# KiCad board PCMTestBoardOriginal.kicad_pcb
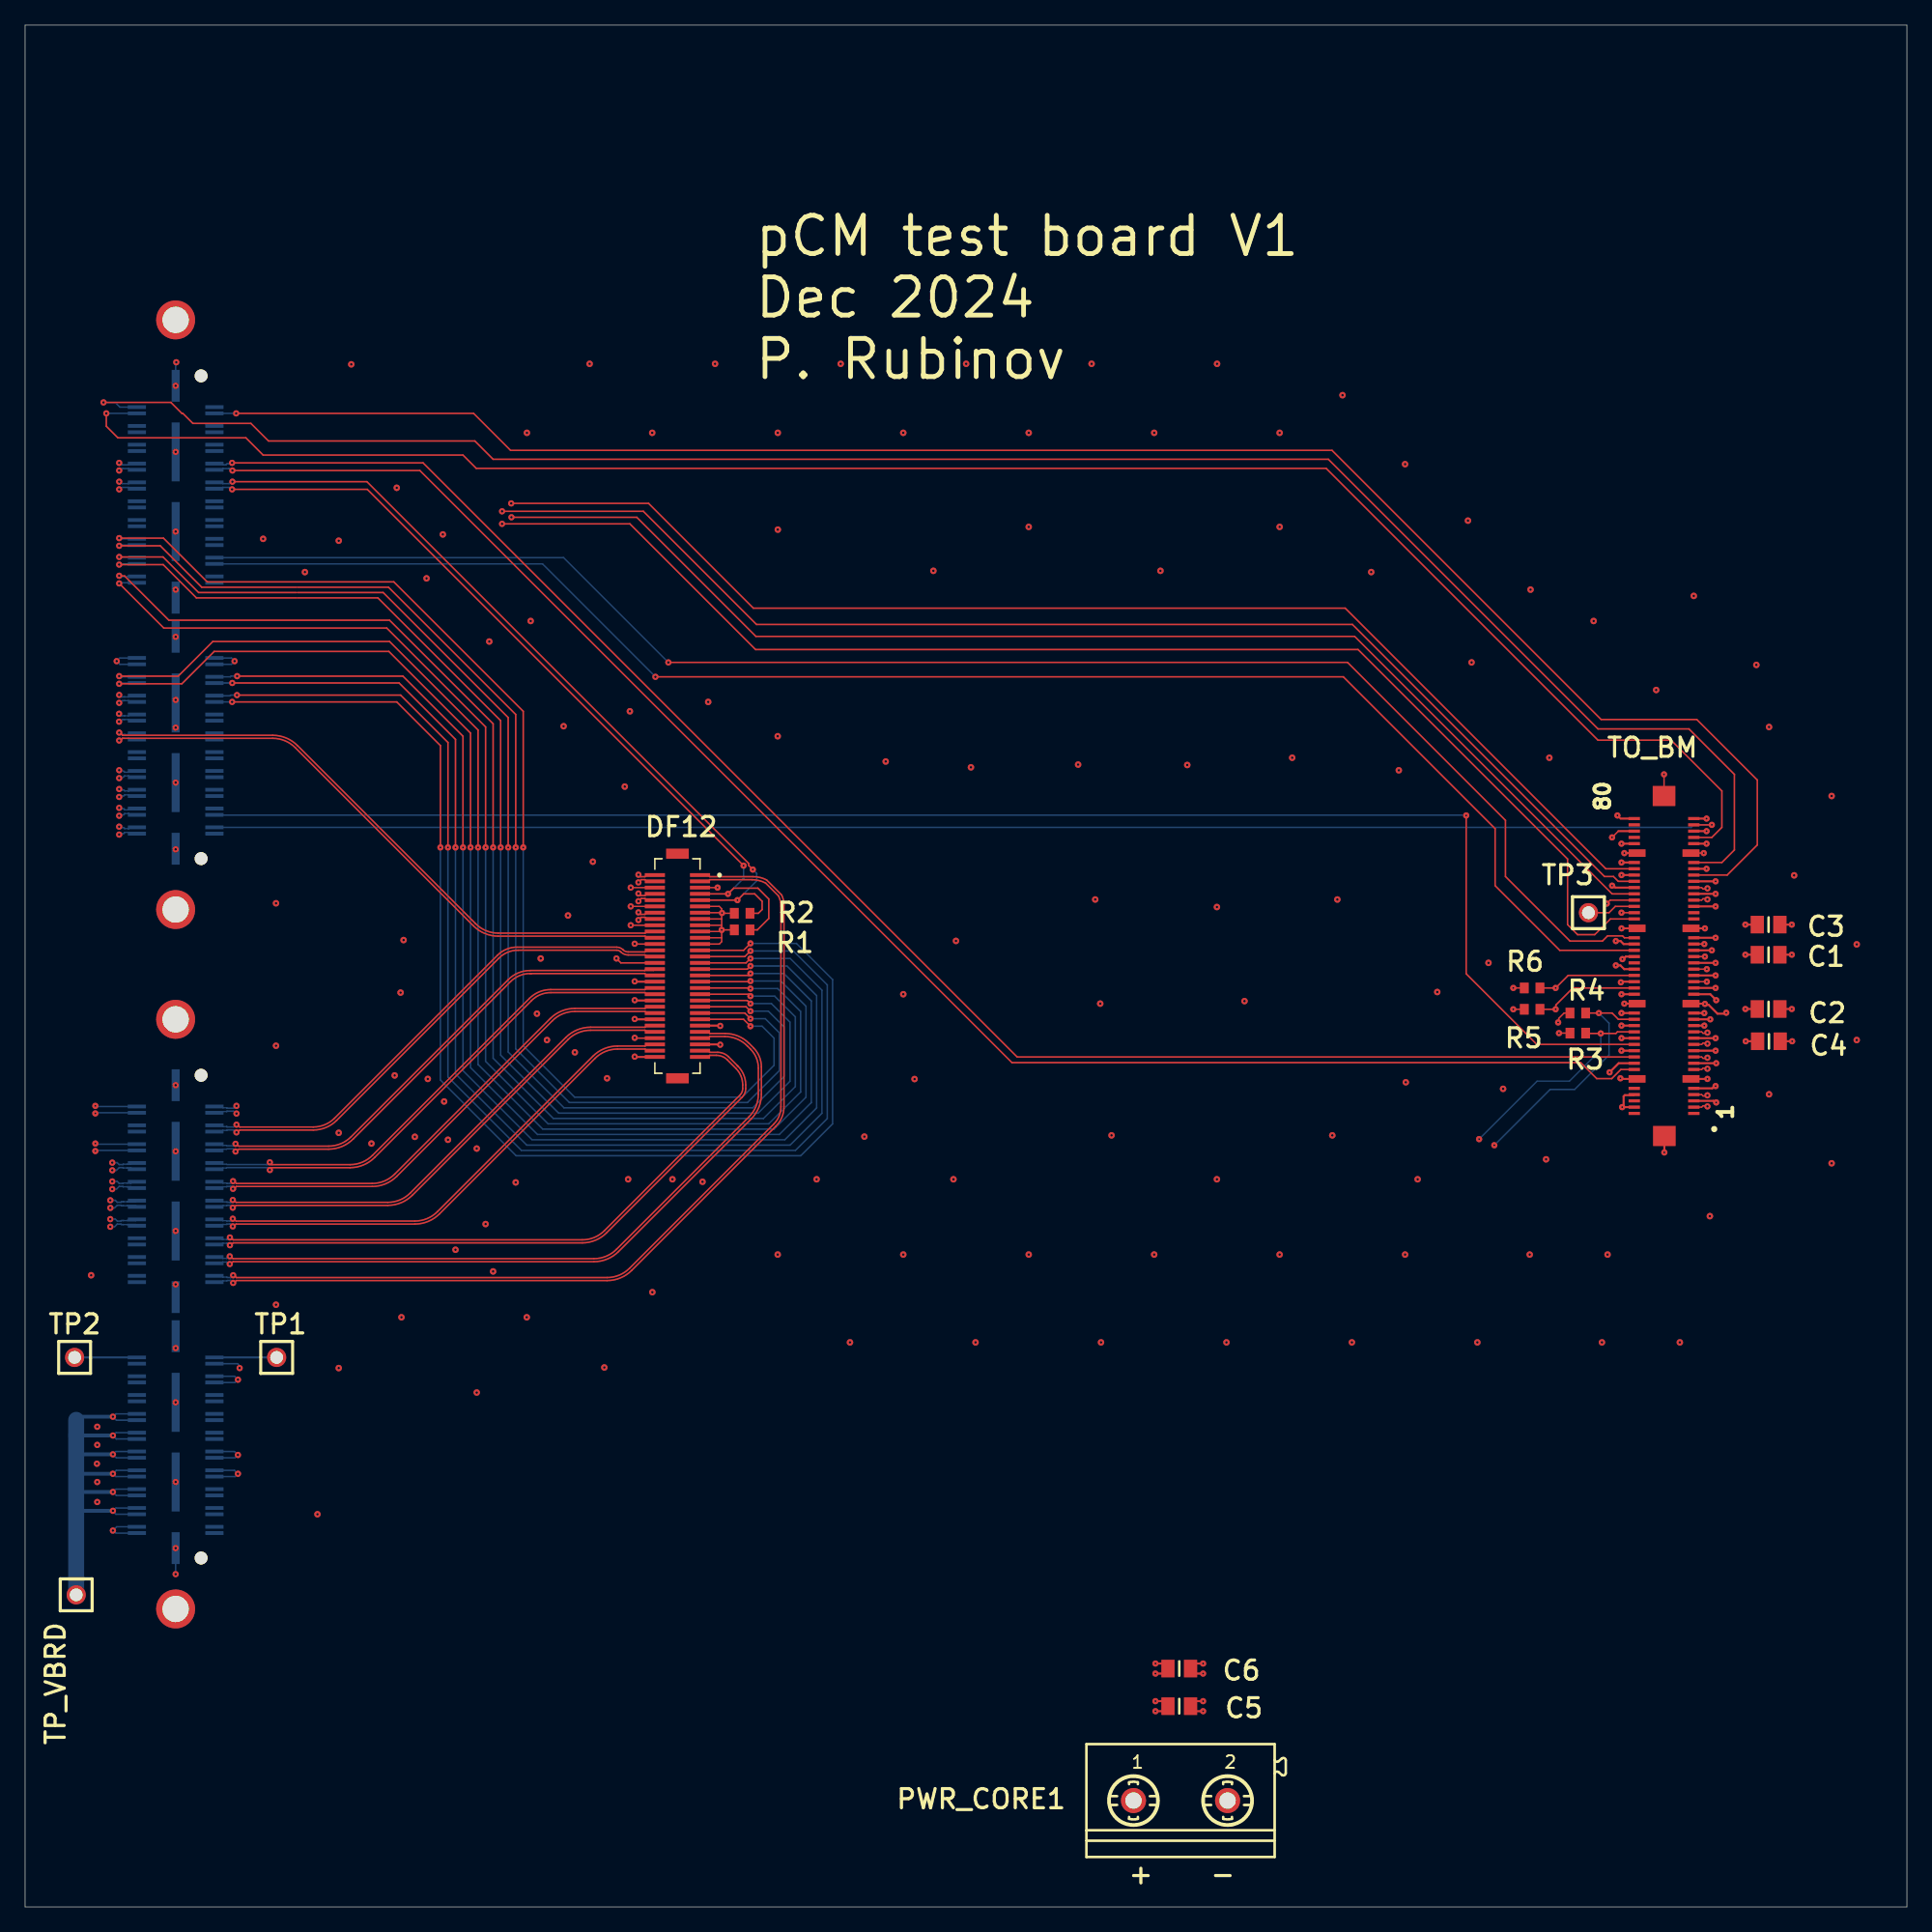
[diagram p0: board, top side]
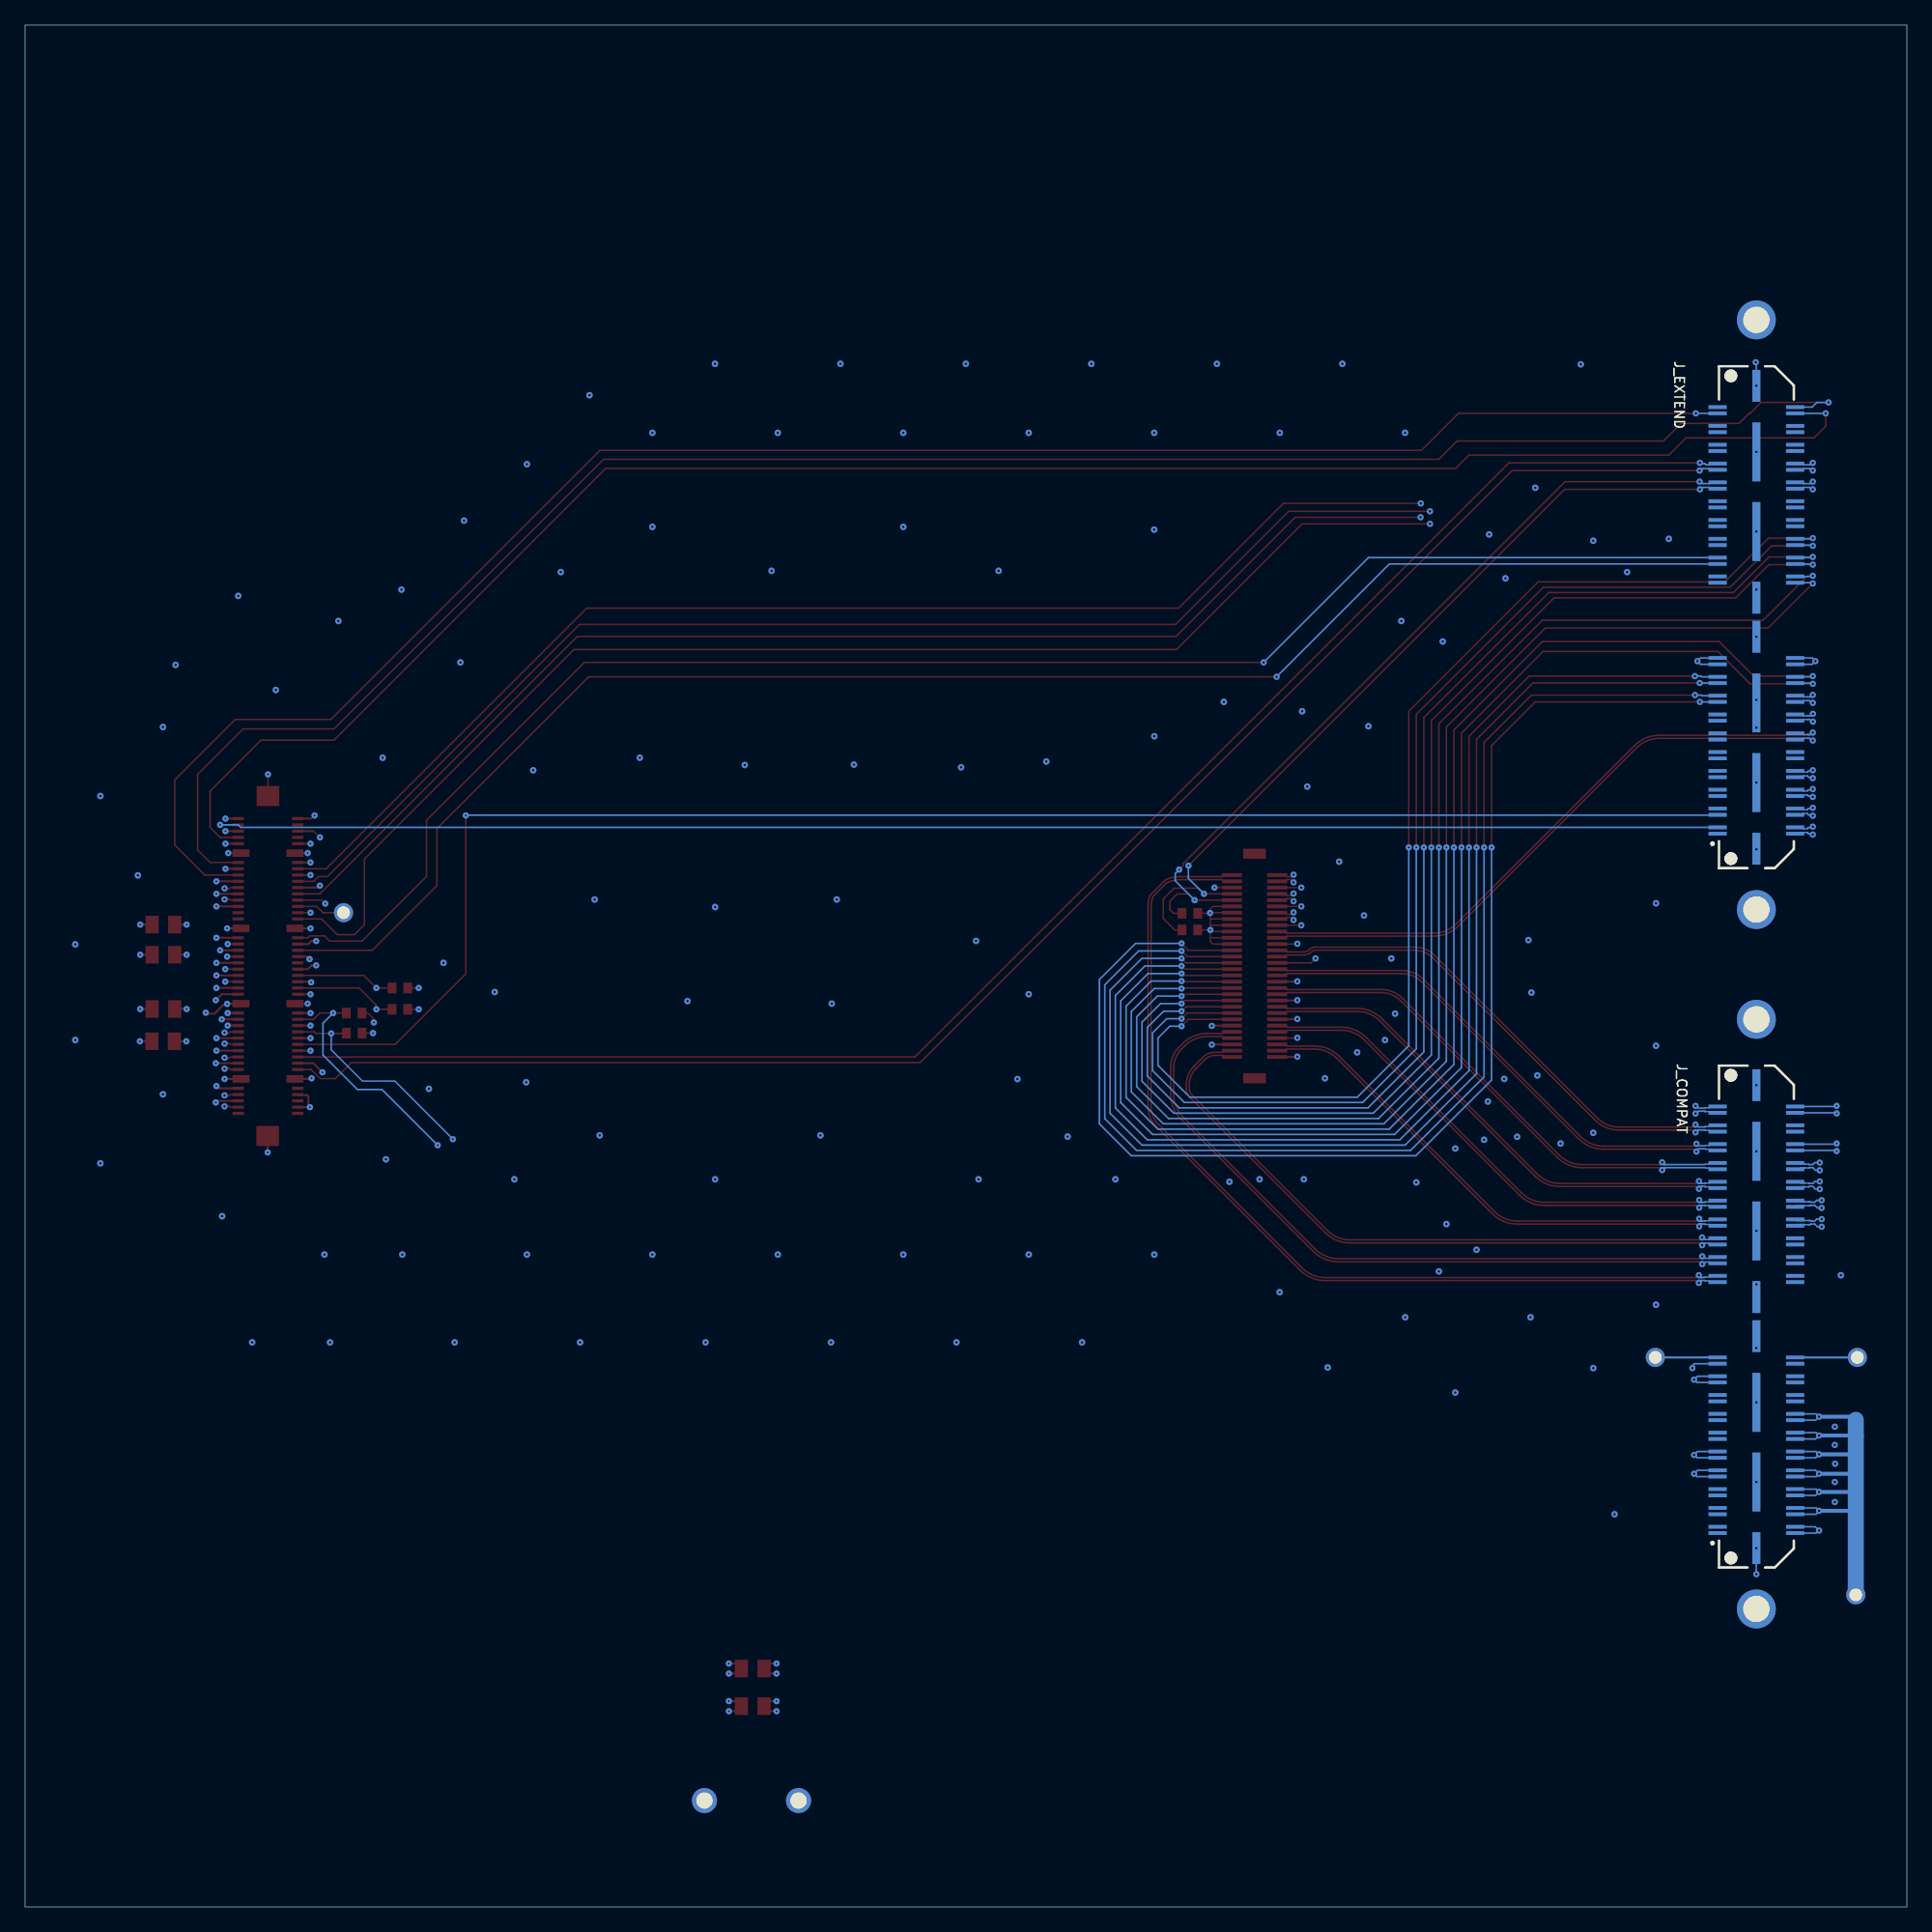
[diagram p1: board, bottom side, seen from below]

Outline 150 x 150 mm; copper layers: Top Layer1, LAyer2_gnd, Layer3_sig, Layer4_gnd, Layer5_vdd, Layer6_vdd, Layer7_gnd, Layer8_sig, Layer9_gnd, Bottom Layer. Coordinates in mm from the lower left corner of the outline.
Outline path: 0,150 0,0 150,0 150,150 0,150

## Placement (name value [footprint] x y rotation side)
C1  22uF  [CAPC2012X135N]  138.98 75.9 0 top
C2  22uF  [CAPC2012X135N]  138.98 71.57 0 top
C3  22uF  [CAPC2012X135N]  138.98 78.3 180 top
C4  22uF  [CAPC2012X135N]  139 69 180 top
C5  22uF  [CAPC2012X135N]  92 16 180 top
C6  22uF  [CAPC2012X135N]  92 19 180 top
DF12  DF12 connector for HGCAL test boards for partial modules  [HRS_DF12NB-60DS-0.5V(51)]  52 75 90 top
J_COMPAT  Samtec QTH-040  [SAMTEC_QTH-040-01-L-D-DP-A]  12 47.05 90 bottom
J_EXTEND  Samtec QTH-040  [SAMTEC_QTH-040-01-L-D-DP-A]  12 102.8 90 bottom
NOREF  -  [unnamed]  12 79.5 0 top
NOREF#2  -  [unnamed]  12 23.75 0 top
NOREF#3  -  [unnamed#2]  10 140 0 top
NOREF#4  -  [unnamed]  12 126.5 0 top
NOREF#5  -  [unnamed]  12 70.75 0 top
NOREF#6  -  [unnamed#2]  10 10 0 top
NOREF#7  -  [unnamed#2]  140 10 0 top
NOREF#8  -  [unnamed#2]  140 140 0 top
NT_01_N  Net Tie  [Net_Tie1#2]  8.09 85.95 180 bottom
NT_01_P  Net Tie  [Net_Tie1]  8.09 85.65 180 bottom
NT_02_N  Net Tie  [Net_Tie1]  8.09 87.45 180 bottom
NT_02_P  Net Tie  [Net_Tie1]  8.09 87.15 180 bottom
NT_03_N  Net Tie  [Net_Tie1]  15.93 56.2 180 bottom
NT_03_P  Net Tie  [Net_Tie1]  15.93 55.9 180 bottom
NT_04_N  Net Tie  [Net_Tie1]  15.93 54.7 180 bottom
NT_04_P  Net Tie  [Net_Tie1]  15.93 54.4 180 bottom
NT_05_N  Net Tie  [Net_Tie1#4]  8.09 88.96 180 bottom
NT_05_P  Net Tie  [Net_Tie1#4]  8.09 88.64 180 bottom
NT_06_N  Net Tie  [Net_Tie1]  15.91 57.7 180 bottom
NT_06_P  Net Tie  [Net_Tie1]  15.91 57.4 180 bottom
NT_07_N  Net Tie  [Net_Tie1]  7.98 57.7 180 bottom
NT_07_P  Net Tie  [Net_Tie1]  7.98 57.4 180 bottom
NT_08_N  Net Tie  [Net_Tie1]  15.9 60.7 180 bottom
NT_08_P  Net Tie  [Net_Tie1]  15.9 60.4 180 bottom
NT_09_N  Net Tie  [Net_Tie1]  15.91 62.2 180 bottom
NT_09_P  Net Tie  [Net_Tie1]  15.91 61.9 180 bottom
NT_10_N  Net Tie  [Net_Tie1#3]  8.09 90.45 180 bottom
NT_10_P  Net Tie  [Net_Tie1#4]  8.09 90.15 180 bottom
NT_11_N  Net Tie  [Net_Tie1#2]  8.09 93.45 180 bottom
NT_11_P  Net Tie  [Net_Tie1#5]  8.09 93.15 180 bottom
NT_12_N  Net Tie  [Net_Tie1]  8.08 94.95 180 bottom
NT_12_P  Net Tie  [Net_Tie1]  8.08 94.65 180 bottom
NT_14_N  Net Tie  [Net_Tie1]  8.09 96.45 180 bottom
NT_14_P  Net Tie  [Net_Tie1]  8.09 96.15 180 bottom
NT_18_N  Net Tie  [Net_Tie1#2]  15.91 63.7 180 bottom
NT_18_P  Net Tie  [Net_Tie1]  15.91 63.4 180 bottom
NT_20_N  Net Tie  [Net_Tie1]  15.9 59.2 180 bottom
NT_20_P  Net Tie  [Net_Tie1]  15.9 58.9 180 bottom
NT_21_N  Net Tie  [Net_Tie1]  7.98 59.2 180 bottom
NT_21_P  Net Tie  [Net_Tie1]  7.98 58.9 180 bottom
NT_22_N  Net Tie  [Net_Tie1]  7.98 56.21 180 bottom
NT_22_P  Net Tie  [Net_Tie1]  7.98 55.89 180 bottom
NT_23_N  Net Tie  [Net_Tie1]  15.93 50.2 180 bottom
NT_23_P  Net Tie  [Net_Tie1]  15.93 49.9 180 bottom
NT_24_N  Net Tie  [Net_Tie1]  15.93 53.2 180 bottom
NT_24_P  Net Tie  [Net_Tie1]  15.93 52.9 180 bottom
NT_27_N  Net Tie  [Net_Tie1]  15.91 51.7 180 bottom
NT_27_P  Net Tie  [Net_Tie1]  15.91 51.4 180 bottom
NT_28_N  Net Tie  [Net_Tie1]  7.98 54.71 180 bottom
NT_28_P  Net Tie  [Net_Tie1]  7.98 54.39 180 bottom
PWR_CORE1  power_conn  [PHOENIX_1988105 - duplicate]  92.1 8.48 0 top
R1  ERJ-3EKF1002V  [RESC1608X55X30LL15T15]  57.16 77.88 0 top
R2  ERJ-3EKF1002V  [RESC1608X55X30LL15T15]  57.16 79.2 0 top
R3  ERJ-3EKF1002V  [RESC1608X55X30LL15T15]  123.77 69.65 180 top
R4  ERJ-3EKF1002V  [RESC1608X55X30LL15T15]  123.77 71.25 180 top
R5  ERJ-3EKF1002V  [RESC1608X55X30LL15T15]  120.13 71.55 180 top
R6  ERJ-3EKF1002V  [RESC1608X55X30LL15T15]  120.13 73.25 180 top
TO_BM  FX11A-80P8  [HIROSE_FX11A-80P-8-SV]  130.64 75 90 top
TP1  Samtec TSW-101-07-G-S  [CONN HEADER 1POS .100"]  20.05 43.8 270 top
TP2  Samtec TSW-101-07-G-S  [CONN HEADER 1POS .100"]  3.95 43.8 270 top
TP3  Samtec TSW-101-07-G-S  [CONN HEADER 1POS .100"]  124.61 79.25 0 top
TP_VBRD  Samtec TSW-101-07-G-S  [CONN HEADER 1POS .100"]  4.08 24.88 90 top

## Footprints (pads in the part's own frame, mm; a bottom-side part is the same pattern mirrored in y, then rotated)
CAPC2012X135N
  rect 1.05x1.4 smd: 1(-0.9,0) 2(0.9,0)
CONN HEADER 1POS .100"
  round 1.524 hole 1.016: 1(0,0)
HIROSE_FX11A-80P-8-SV
  round 0.001 hole 1 unplated: (-12,0)
  round 0.001 hole 0.9 unplated: (12,0)
  rect 0.25x0.9 smd: 1(-11.75,-2.375) 2(-11.75,2.375) 3(-11.25,-2.375) 4(-11.25,2.375) 5(-10.75,-2.375) 6(-10.75,2.375) 7(-10.25,-2.375) 8(-10.25,2.375) 9(-9.75,-2.375) 10(-9.75,2.375) 11(-8.25,-2.375) 12(-8.25,2.375) 13(-7.75,-2.375) 14(-7.75,2.375) 15(-7.25,-2.375) 16(-7.25,2.375) 17(-6.75,-2.375) 18(-6.75,2.375) 19(-6.25,-2.375) 20(-6.25,2.375) 21(-5.75,-2.375) 22(-5.75,2.375) 23(-5.25,-2.375) 24(-5.25,2.375) 25(-4.75,-2.375) 26(-4.75,2.375) 27(-4.25,-2.375) 28(-4.25,2.375) 29(-3.75,-2.375) 30(-3.75,2.375) 31(-2.25,-2.375) 32(-2.25,2.375) 33(-1.75,-2.375) 34(-1.75,2.375) 35(-1.25,-2.375) 36(-1.25,2.375) 37(-0.75,-2.375) 38(-0.75,2.375) 39(-0.25,-2.375) 40(-0.25,2.375) 41(0.25,-2.375) 42(0.25,2.375) 43(0.75,-2.375) 44(0.75,2.375) 45(1.25,-2.375) 46(1.25,2.375) 47(1.75,-2.375) 48(1.75,2.375) 49(2.25,-2.375) 50(2.25,2.375) 51(3.75,-2.375) 52(3.75,2.375) 53(4.25,-2.375) 54(4.25,2.375) 55(4.75,-2.375) 56(4.75,2.375) 57(5.25,-2.375) 58(5.25,2.375) 59(5.75,-2.375) 60(5.75,2.375) 61(6.25,-2.375) 62(6.25,2.375) 63(6.75,-2.375) 64(6.75,2.375) 65(7.25,-2.375) 66(7.25,2.375) 67(7.75,-2.375) 68(7.75,2.375) 69(8.25,-2.375) 70(8.25,2.375) 71(9.75,-2.375) 72(9.75,2.375) 73(10.25,-2.375) 74(10.25,2.375) 75(10.75,-2.375) 76(10.75,2.375) 77(11.25,-2.375) 78(11.25,2.375) 79(11.75,-2.375) 80(11.75,2.375)
  rect 0.6x1.35 smd: 81(9,-2.15) 82(3,-2.15) 83(-3,-2.15) 84(-9,-2.15) 85(-9,2.15) 86(-3,2.15) 87(3,2.15) 88(9,2.15)
  rect 1.6x1.8 smd: GND1(-13.55,-0.025) GND2(13.55,0)
HRS_DF12NB-60DS-0.5V(51)
  rect 0.3x1.6 smd: 1(7.25,-1.8) 2(7.25,1.8) 3(6.75,-1.8) 4(6.75,1.8) 5(6.25,-1.8) 6(6.25,1.8) 7(5.75,-1.8) 8(5.75,1.8) 9(5.25,-1.8) 10(5.25,1.8) 11(4.75,-1.8) 12(4.75,1.8) 13(4.25,-1.8) 14(4.25,1.8) 15(3.75,-1.8) 16(3.75,1.8) 17(3.25,-1.8) 18(3.25,1.8) 19(2.75,-1.8) 20(2.75,1.8) 21(2.25,-1.8) 22(2.25,1.8) 23(1.75,-1.8) 24(1.75,1.8) 25(1.25,-1.8) 26(1.25,1.8) 27(0.75,-1.8) 28(0.75,1.8) 29(0.25,-1.8) 30(0.25,1.8) 31(-0.25,-1.8) 32(-0.25,1.8) 33(-0.75,-1.8) 34(-0.75,1.8) 35(-1.25,-1.8) 36(-1.25,1.8) 37(-1.75,-1.8) 38(-1.75,1.8) 39(-2.25,-1.8) 40(-2.25,1.8) 41(-2.75,-1.8) 42(-2.75,1.8) 43(-3.25,-1.8) 44(-3.25,1.8) 45(-3.75,-1.8) 46(-3.75,1.8) 47(-4.25,-1.8) 48(-4.25,1.8) 49(-4.75,-1.8) 50(-4.75,1.8) 51(-5.25,-1.8) 52(-5.25,1.8) 53(-5.75,-1.8) 54(-5.75,1.8) 55(-6.25,-1.8) 56(-6.25,1.8) 57(-6.75,-1.8) 58(-6.75,1.8) 59(-7.25,-1.8) 60(-7.25,1.8)
  rect 0.8x1.8 smd: S1(8.95,0) S2(-8.95,0)
Net_Tie1
  rect 0.4x0.1 smd: (0,0)
  rect 0.1x0.1 smd: 1(-0.15,0) 2(0.15,0)
Net_Tie1#2
  rect 0.4x0.1 smd: (0,0)
  rect 0.1x0.1 smd: 1(-0.15,0) 2(0.15,0)
Net_Tie1#3
  rect 0.1x0.1 smd: 1(-0.15,0) 2(0.15,0)
Net_Tie1#4
  rect 0.1x0.1 smd: 1(-0.15,0) 2(0.15,0)
Net_Tie1#5
  rect 0.4x0.1 smd: (0,0)
  rect 0.1x0.1 smd: 1(-0.15,0) 2(0.15,0)
PHOENIX_1988105 - duplicate
  round 2 hole 1.3: 1(-3.75,0) 2(3.75,0)
RESC1608X55X30LL15T15
  rect 0.7x0.85 smd: 1(-0.625,0) 2(0.625,0)
SAMTEC_QTH-040-01-L-D-DP-A
  round 1.02 hole 1.02 unplated: (-19.24,2.03) (19.24,2.03)
  rect 0.3x1.45 smd: 1(-17.25,3.09) 2(-17.25,-3.09) 3(-16.75,3.09) 4(-16.75,-3.09) 5(-15.75,3.09) 6(-15.75,-3.09) 7(-15.25,3.09) 8(-15.25,-3.09) 9(-14.25,3.09) 10(-14.25,-3.09) 11(-13.75,3.09) 12(-13.75,-3.09) 13(-12.75,3.09) 14(-12.75,-3.09) 15(-12.25,3.09) 16(-12.25,-3.09) 17(-11.25,3.09) 18(-11.25,-3.09) 19(-10.75,3.09) 20(-10.75,-3.09) 21(-9.75,3.09) 22(-9.75,-3.09) 23(-9.25,3.09) 24(-9.25,-3.09) 25(-8.25,3.09) 26(-8.25,-3.09) 27(-7.75,3.09) 28(-7.75,-3.09) 29(-6.75,3.09) 30(-6.75,-3.09) 31(-6.25,3.09) 32(-6.25,-3.09) 33(-5.25,3.09) 34(-5.25,-3.09) 35(-4.75,3.09) 36(-4.75,-3.09) 37(-3.75,3.09) 38(-3.75,-3.09) 39(-3.25,3.09) 40(-3.25,-3.09) 41(2.75,3.09) 42(2.75,-3.09) 43(3.25,3.09) 44(3.25,-3.09) 45(4.25,3.09) 46(4.25,-3.09) 47(4.75,3.09) 48(4.75,-3.09) 49(5.75,3.09) 50(5.75,-3.09) 51(6.25,3.09) 52(6.25,-3.09) 53(7.25,3.09) 54(7.25,-3.09) 55(7.75,3.09) 56(7.75,-3.09) 57(8.75,3.09) 58(8.75,-3.09) 59(9.25,3.09) 60(9.25,-3.09) 61(10.25,3.09) 62(10.25,-3.09) 63(10.75,3.09) 64(10.75,-3.09) 65(11.75,3.09) 66(11.75,-3.09) 67(12.25,3.09) 68(12.25,-3.09) 69(13.25,3.09) 70(13.25,-3.09) 71(13.75,3.09) 72(13.75,-3.09) 73(14.75,3.09) 74(14.75,-3.09) 75(15.25,3.09) 76(15.25,-3.09) 77(16.25,3.09) 78(16.25,-3.09) 79(16.75,3.09) 80(16.75,-3.09)
  rect 2.54x0.64 smd: G1(-18.45,0) G4(-1.56,0) G5(1.56,0) G6(18.45,0)
  rect 4.7x0.64 smd: G2(-13.18,0) G3(-6.83,0) G7(6.83,0) G8(13.18,0)
unnamed
  round 3.1 hole 2.1: H(0,0)
unnamed#2
  round 0.001 hole 4.2 unplated: (0,0)

## Nets
3V3D_1: J_EXTEND.38 J_EXTEND.40
GND: C1.2 C2.2 C3.1 C4.1 C5.1 C6.1 DF12.5 DF12.6 DF12.12 DF12.18 DF12.24 DF12.30 DF12.36 DF12.42 DF12.48 DF12.49 DF12.54 DF12.55 DF12.60 J_COMPAT.2 J_COMPAT.4 J_COMPAT.13 J_COMPAT.15 J_COMPAT.17 J_COMPAT.19 J_COMPAT.33 J_COMPAT.35 J_COMPAT.37 J_COMPAT.G1 J_COMPAT.G2 J_COMPAT.G3 J_COMPAT.G4 J_COMPAT.G5 J_COMPAT.G6 J_COMPAT.G7 J_COMPAT.G8 J_EXTEND.G1 J_EXTEND.G2 J_EXTEND.G3 J_EXTEND.G4 J_EXTEND.G5 J_EXTEND.G6 J_EXTEND.G7 J_EXTEND.G8 PWR_CORE1.2 TO_BM.4 TO_BM.5 TO_BM.8 TO_BM.9 TO_BM.13 TO_BM.14 TO_BM.17 TO_BM.18 TO_BM.21 TO_BM.22 TO_BM.25 TO_BM.26 TO_BM.30 TO_BM.32 TO_BM.33 TO_BM.36 TO_BM.37 TO_BM.40 TO_BM.41 TO_BM.44 TO_BM.45 TO_BM.48 TO_BM.49 TO_BM.54 TO_BM.55 TO_BM.58 TO_BM.59 TO_BM.62 TO_BM.63 TO_BM.66 TO_BM.67 TO_BM.70 TO_BM.71 TO_BM.72 TO_BM.75 TO_BM.76 TO_BM.79 TO_BM.80 TO_BM.81 TO_BM.82 TO_BM.83 TO_BM.84 TO_BM.85 TO_BM.86 TO_BM.87 TO_BM.88 TO_BM.GND1 TO_BM.GND2
VDD: C1.1 C2.1 C3.2 C4.2 C5.2 C6.2 DF12.11 DF12.13 DF12.15 DF12.17 DF12.19 DF12.21 DF12.23 PWR_CORE1.1 R1.1 R2.1 R3.2 R4.2 R5.2 R6.2 TO_BM.27 TO_BM.29 TO_BM.31
BM28_HGCROC_RE_HB_1: J_EXTEND.62 TO_BM.52
BM28_I2C_SCL_1: J_EXTEND.65 TO_BM.12
BM28_I2C_SDA_1: J_EXTEND.67 TO_BM.16
BM28_PG_LDO_1: J_EXTEND.64 TO_BM.60
BM28_PROBE_DC_1: J_EXTEND.77 TO_BM.65
BM28_PWR_EN_LDO_1: J_EXTEND.66 TO_BM.64
BM28_RTD_1: J_EXTEND.80 TO_BM.69
BM28_RTD_REF_1: J_EXTEND.78 TO_BM.73
BM28_S1_HGCROC_RE_SB_1: J_EXTEND.45 TO_BM.46
BM28_S2_HGCROC_RE_SB_1: J_EXTEND.47 TO_BM.50
BM28_VMON_LVS_1: J_EXTEND.68 TO_BM.68
CLK320_IN_1_N: NT_01_N.2 TO_BM.39
CLK320_IN_1_P: NT_01_P.2 TO_BM.35
DF12_HGCROC_RE_HB_1: DF12.31 J_EXTEND.35
DF12_I2C_SCL_1: DF12.7 J_EXTEND.61 R1.2
DF12_I2C_SDA_1: DF12.9 J_EXTEND.63 R2.2
DF12_PG_LDO_1: DF12.33 J_EXTEND.34
DF12_PWR_EN_LDO_1: DF12.37 J_EXTEND.42
DF12_RTD_1: DF12.45 J_EXTEND.50
DF12_RTD_REF_1: DF12.47 J_EXTEND.52
DF12_S1_HGCROC_RE_SB_1: DF12.39 J_EXTEND.44
DF12_S1_PROBE_DC_1: DF12.41 J_EXTEND.46
DF12_S2_HGCROC_RE_SB_1: DF12.29 J_EXTEND.33
DF12_S2_PROBE_DC_1: DF12.27 J_EXTEND.31
DF12_VMON_LVS_1: DF12.35 J_EXTEND.36
ECON_D_DAQ_OUT_1_N: NT_21_N.2 TO_BM.7
ECON_D_DAQ_OUT_1_P: NT_21_P.2 TO_BM.3
ECON_D_ERROR_B_1: J_EXTEND.5 TO_BM.20
ECON_D_RESET_B_1: J_COMPAT.72 R3.1 TO_BM.24
ECON_D_SOFT_RESET_B_1: J_COMPAT.78 R5.1 TO_BM.34
ECON_T_RESET_B_1: J_COMPAT.70 R4.1 TO_BM.28
ECON_T_SOFT_RESET_B_1: J_COMPAT.80 R6.1 TO_BM.38
ECON_T_TRIG_OUT_0_1_N: NT_12_N.2 TO_BM.15
ECON_T_TRIG_OUT_0_1_P: NT_12_P.2 TO_BM.11
ECON_T_TRIG_OUT_1_1_N: NT_18_N.1 TO_BM.23
ECON_T_TRIG_OUT_1_1_P: NT_18_P.1 TO_BM.19
FCMD_IN_1_N: NT_02_N.2 TO_BM.47
FCMD_IN_1_P: NT_02_P.2 TO_BM.43
HS_01_1_N: J_EXTEND.4 NT_01_N.1
HS_01_1_P: J_EXTEND.2 NT_01_P.1
HS_02_1_N: J_EXTEND.8 NT_02_N.1
HS_02_1_P: J_EXTEND.6 NT_02_P.1
HS_03_1_N: J_COMPAT.59 NT_03_N.2
HS_03_1_P: J_COMPAT.57 NT_03_P.2
HS_04_1_N: J_COMPAT.55 NT_04_N.2
HS_04_1_P: J_COMPAT.53 NT_04_P.2
HS_05_1_N: J_EXTEND.12 NT_05_N.1
HS_05_1_P: J_EXTEND.10 NT_05_P.1
HS_06_1_N: J_COMPAT.63 NT_06_N.2
HS_06_1_P: J_COMPAT.61 NT_06_P.2
HS_07_1_N: J_COMPAT.64 NT_07_N.1
HS_07_1_P: J_COMPAT.62 NT_07_P.1
HS_08_1_N: J_COMPAT.71 NT_08_N.2
HS_08_1_P: J_COMPAT.69 NT_08_P.2
HS_09_1_N: J_COMPAT.75 NT_09_N.2
HS_09_1_P: J_COMPAT.73 NT_09_P.2
HS_10_1_N: J_EXTEND.16 NT_10_N.1
HS_10_1_P: J_EXTEND.14 NT_10_P.1
HS_11_1_N: J_EXTEND.24 NT_11_N.1
HS_11_1_P: J_EXTEND.22 NT_11_P.1
HS_12_1_N: J_EXTEND.28 NT_12_N.1
HS_12_1_P: J_EXTEND.26 NT_12_P.1
HS_14_1_N: J_EXTEND.32 NT_14_N.1
HS_14_1_P: J_EXTEND.30 NT_14_P.1
HS_18_1_N: J_COMPAT.79 NT_18_N.2
HS_18_1_P: J_COMPAT.77 NT_18_P.2
HS_20_1_N: J_COMPAT.67 NT_20_N.2
HS_20_1_P: J_COMPAT.65 NT_20_P.2
HS_21_1_N: J_COMPAT.68 NT_21_N.1
HS_21_1_P: J_COMPAT.66 NT_21_P.1
HS_22_1_N: J_COMPAT.60 NT_22_N.1
HS_22_1_P: J_COMPAT.58 NT_22_P.1
HS_23_1_N: J_COMPAT.43 NT_23_N.2
HS_23_1_P: J_COMPAT.41 NT_23_P.2
HS_24_1_N: J_COMPAT.51 NT_24_N.2
HS_24_1_P: J_COMPAT.49 NT_24_P.2
HS_27_1_N: J_COMPAT.47 NT_27_N.2
HS_27_1_P: J_COMPAT.45 NT_27_P.2
HS_28_1_N: J_COMPAT.56 NT_28_N.1
HS_28_1_P: J_COMPAT.54 NT_28_P.1
LOOP_BACK_1_N: NT_22_N.2 NT_28_N.2
LOOP_BACK_1_P: NT_22_P.2 NT_28_P.2
MGND_1: J_EXTEND.3 TO_BM.77
MUX0_1: TO_BM.53
MUX1_1: TO_BM.51
S1_CLK320_1_N: DF12.46 NT_06_P.1
S1_CLK320_1_P: DF12.44 NT_06_N.1
S1_DAQ_X0_1_N: DF12.58 NT_04_P.1
S1_DAQ_X0_1_P: DF12.56 NT_04_N.1
S1_DAQ_X1_1_N: DF12.38 NT_20_N.1
S1_DAQ_X1_1_P: DF12.40 NT_20_P.1
S1_ERR_1: DF12.43 J_EXTEND.48
S1_FCMD_1_N: DF12.52 NT_03_P.1
S1_FCMD_1_P: DF12.50 NT_03_N.1
S1_TRIG_0_1_N: DF12.57 NT_24_P.1
S1_TRIG_0_1_P: DF12.59 NT_24_N.1
S1_TRIG_1_1_N: DF12.51 NT_27_P.1
S1_TRIG_1_1_P: DF12.53 NT_27_N.1
S1_TRIG_2_1_N: DF12.32 NT_08_N.1
S1_TRIG_2_1_P: DF12.34 NT_08_P.1
S1_TRIG_3_1_N: DF12.26 NT_09_N.1
S1_TRIG_3_1_P: DF12.28 NT_09_P.1
S2_CLK320_1_N: DF12.4 NT_10_P.2
S2_CLK320_1_P: DF12.2 NT_10_N.2
S2_DAQ_X0_1_N: DF12.16 NT_07_P.2
S2_DAQ_X0_1_P: DF12.14 NT_07_N.2
S2_ERR_1: DF12.25 J_EXTEND.29
S2_FCMD_1_N: DF12.10 NT_05_P.2
S2_FCMD_1_P: DF12.8 NT_05_N.2
S2_TRIG_0_1_N: DF12.22 NT_11_P.2
S2_TRIG_0_1_P: DF12.20 NT_11_N.2
S2_TRIG_1_1_N: DF12.3 NT_23_N.1
S2_TRIG_1_1_P: DF12.1 NT_23_P.1
S3_PWR_EN_1: J_COMPAT.40 TP2.1
S3_PWR_PG_1: J_COMPAT.39 TP1.1
TEST_0_1_N: NT_14_N.2 TO_BM.61
TEST_0_1_P: NT_14_P.2 TO_BM.57
TEST_IO_1: TO_BM.56 TP3.1
VADJ_1: J_EXTEND.37 J_EXTEND.39
VBRD_1: J_COMPAT.6 J_COMPAT.8 J_COMPAT.10 J_COMPAT.12 J_COMPAT.14 J_COMPAT.16 J_COMPAT.18 J_COMPAT.20 J_COMPAT.22 J_COMPAT.24 J_COMPAT.26 J_COMPAT.28 TP_VBRD.1

Pads without a net: DF12 S1 S2; J_COMPAT 1 3 5 7 9 11 21 23 25 27 29 30 31 32 34 36 38 42 44 46 48 50 52 74 76; J_EXTEND 1 7 9 11 13 15 17 18 19 20 21 23 25 27 41 43 49 51 53 54 55 56 57 58 59 60 69 70 71 72 73 74 75 76 79; NOREF H; NOREF#2 H; NOREF#4 H; NOREF#5 H; TO_BM 1 2 6 10 42 74 78

## Via types
v1: diameter 0.5, hole 0.2, Top Layer1 to Bottom Layer, 134 vias
v2: diameter 0.5, hole 0.15, Top Layer1 to Bottom Layer, 118 vias
v3: diameter 0.52, hole 0.2, Top Layer1 to Bottom Layer, 128 vias
